# Altium PCB AMDC_uAMDC_Overlay.PcbDoc (part 2 of 6) (continued)
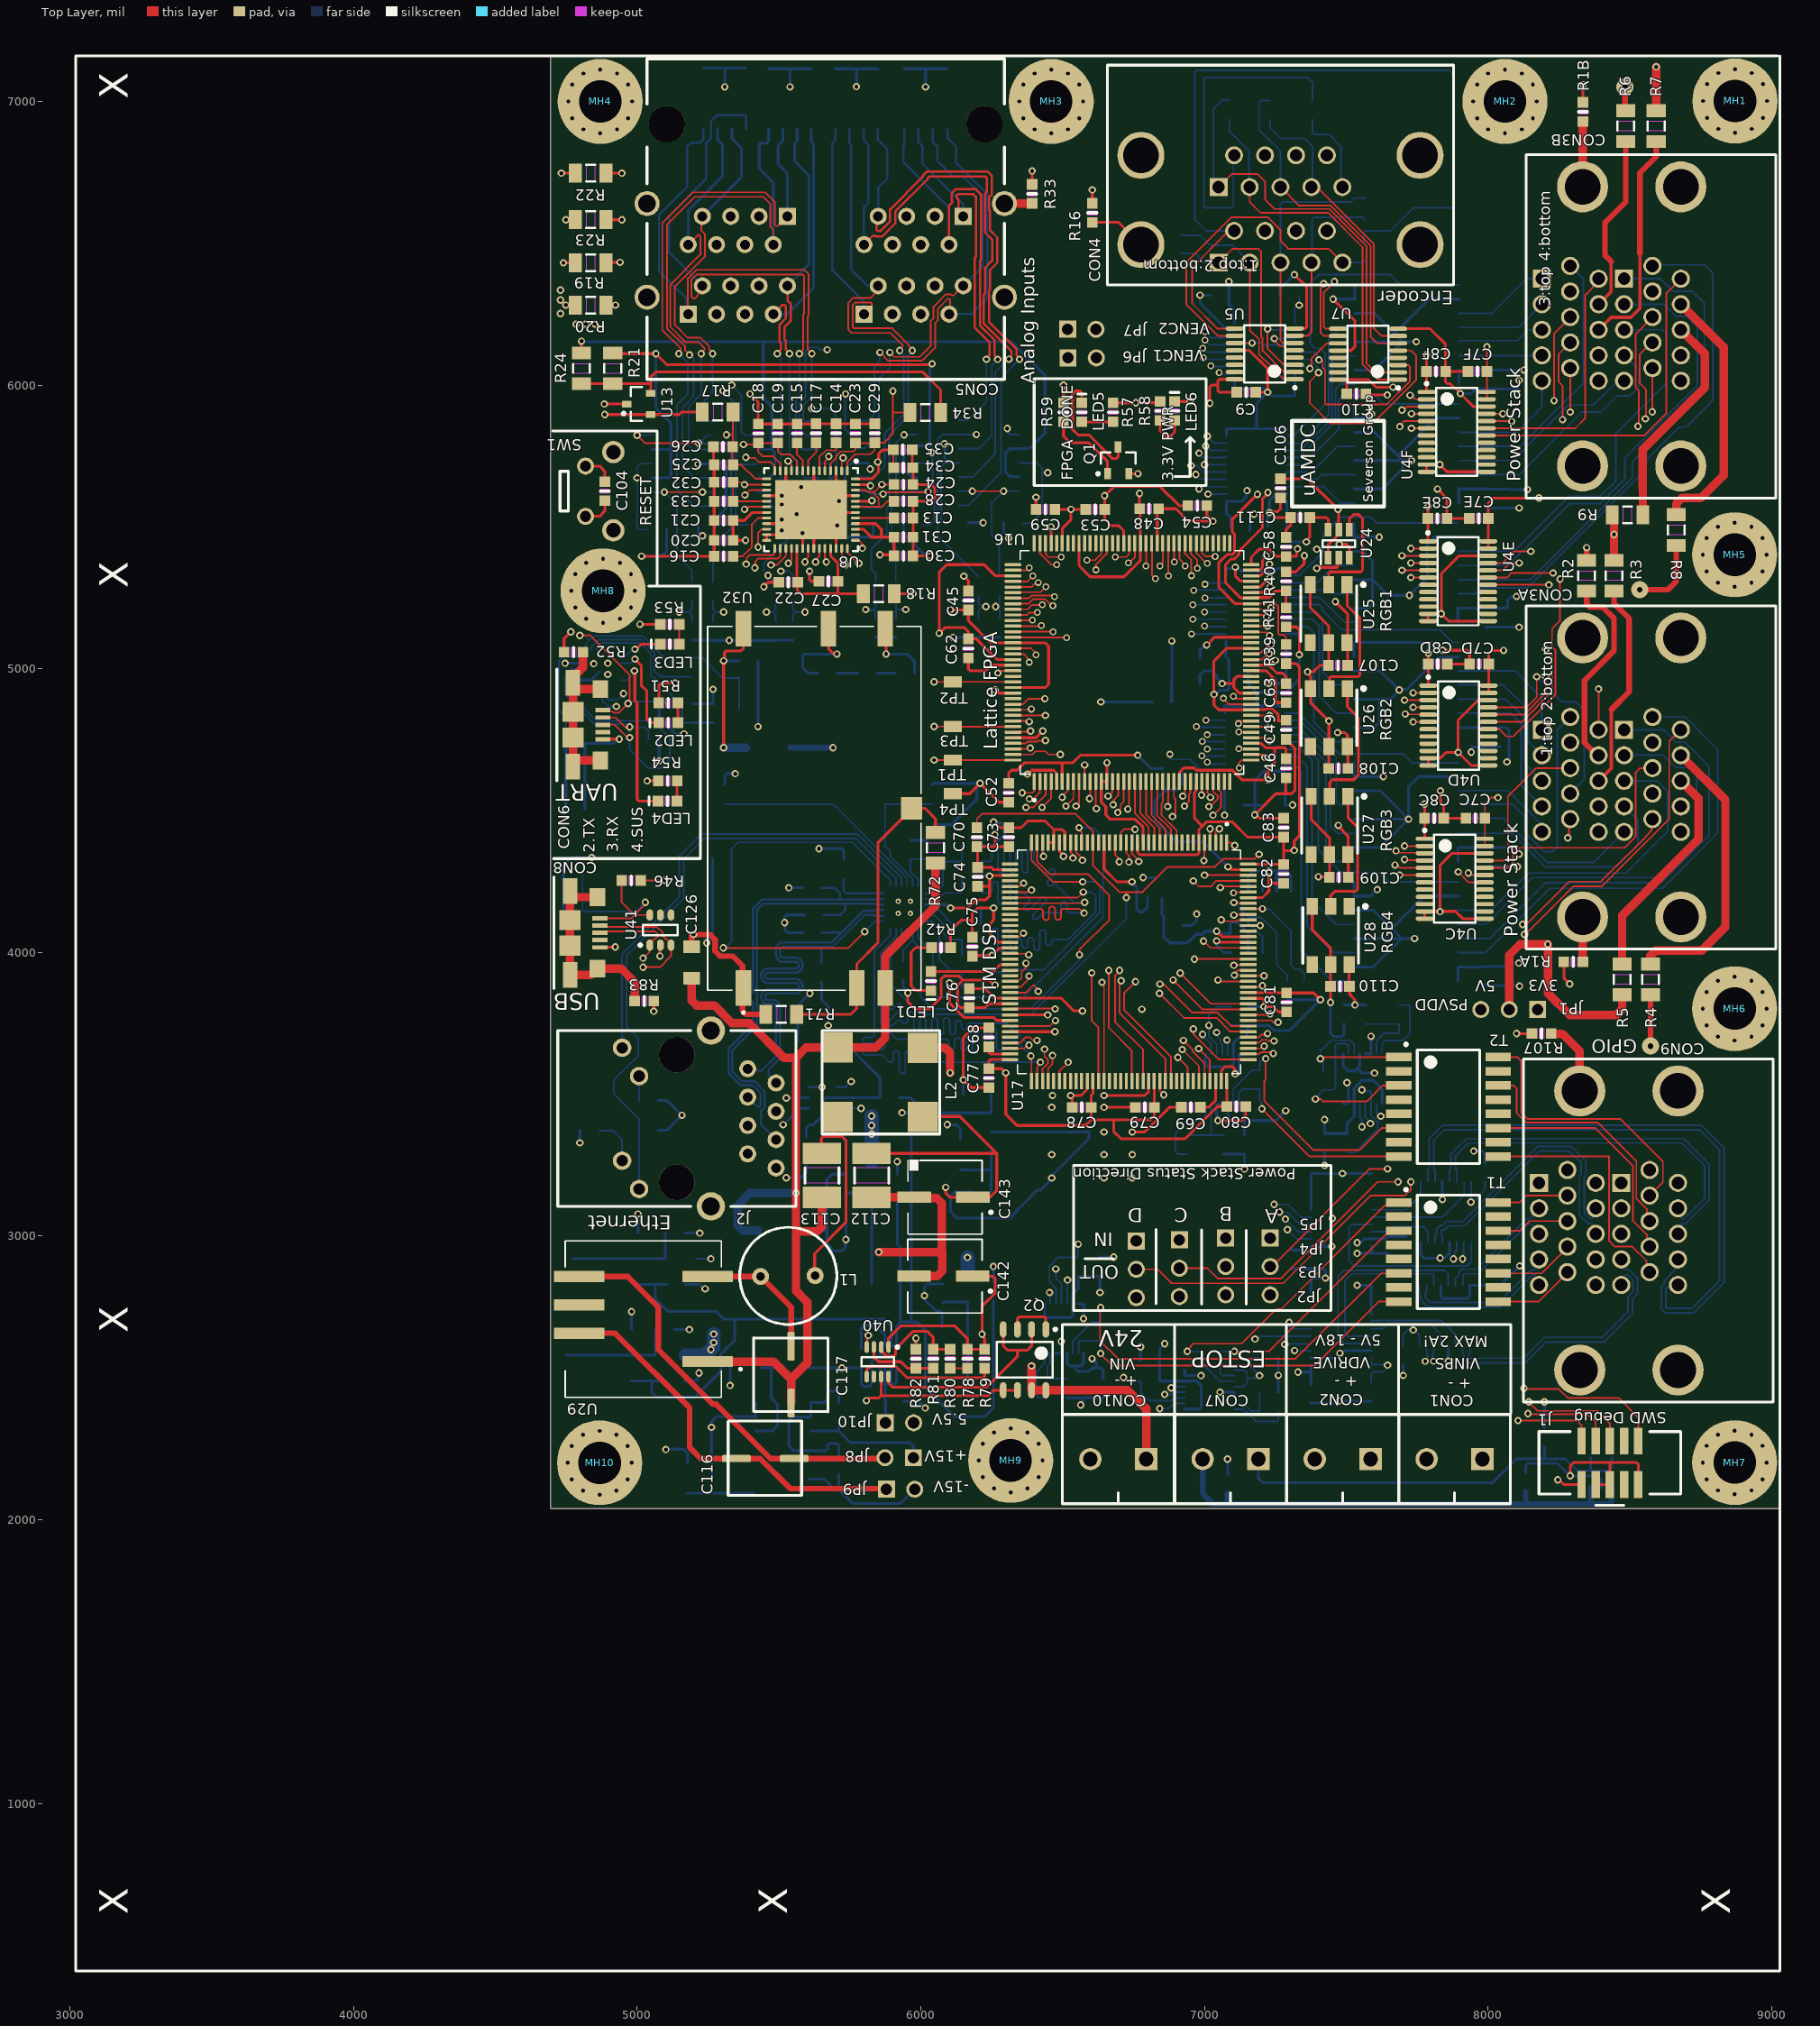
[diagram p0: Top Layer view]
## Nets (pads, with @x,y where several pads share a name; then routed paths per layer and width w, separated by ;. In a path a pad name is that pad's centre, name@x,y a point inside that pad or via, vN(x,y) a via of type N, cw(c..) or ccw(c..) an arc to the next point about the centre after c; other vN are vias at no path point) (continued)
  Int4 (PWR) w10: v1(6242.5,4269.52) 6242.5,4322.5 6230,4335 6230,4432.56 v1(6257.11,4459.68)
  Int2 (Sign) w10: v1(5609.13,3855.5) 5610.14,3856.51 5953.49,3856.51 v1(5954.5,3857.52) ; v2(6105.15,4157) 6105.15,4074.85 6191,3989 v1(6251.5,3989) ; v2(7330,2520.65) 7544.35,2520.65 7780,2285 8102,2285 v2(8246,2141)
  Int3 (Sign) w10: v1@5953.49,3856.51 v1(5954.5,3857.52) ; v1(6251.5,3989) 6251.5,3951.73 6262,3941.23 v1(6262,3885.46)
  Bottom Layer w10: E1.1@5566.46,3685 5566.46,3812.83 v1(5609.13,3855.5) ; R98.2@5938.63,3902.54 5938.63,3875 5954.5,3859.13 v1(5954.5,3857.52) ; U43.9@6016.8,4168.84 6088.98,4168.84 6100.82,4157 v2(6105.15,4157) C149.2@6144.54,4157 ; R96.2@6211.46,3875 6247.21,3875 6257.67,3885.46 v1(6262,3885.46) ; R89.1@6211.46,3989 v1(6251.5,3989) ; R88.1@6211.46,4267 6213.98,4269.52 v1(6242.5,4269.52) ; R87.1@6211.46,4376.75 6256.75,4376.75 6296,4416 6296,4445.5 6284.89,4456.61 6260.18,4456.61 v1(6257.11,4459.68) ; U20B.1@6437.1,2761.6 6437.1,2718.93 6442.96,2713.07 6529.32,2713.07 6535.53,2719.28 U20B.6@6535.53,2761.6 6535.53,2796.14 6555.21,2815.83 R47B.2@6555.21,2858.54 C96B.2@6632,2858.54 v2(6632,2801.33) ; v1(6765,4695.34) 6812.59,4647.75 R43.1@6853.41,4647.75 ; U18.1@6850.02,4192.24 6850.02,4135.93 6856.54,4129.41 C71.2@6856.54,4095 6856.54,4055 6877.76,4033.78 6940,4033.78 6970.18,4063.96 6992.85,4063.96 7004.01,4075.12 v1(7043.15,4075.12) 7047.48,4075.12 7054.48,4068.11 7091.13,4068.11 C72.2@7092,4067.24 7092,4100.14 7097.86,4106 7117.11,4106 7155,4068.11 U19.8@7155,3996 ; v1(6860,2621) 6842.46,2603.46 C96A.2@6842.46,2559.75 R47A.2@6842.46,2489 U20A.6@6930.8,2489 6972.79,2489 6988.54,2473.25 6988.54,2396.43 6982.68,2390.57 U20A.1@6930.8,2390.57 ; C57.1@6884.46,4883 6884.46,4947.46 X1.4@6885,4948 X1.1@6885,5038 v1(6885,5097.84) ; U20D.1@7004.1,3639.6 7004.1,3603.13 7009.96,3597.28 7094.8,3597.28 7102.53,3605 U20D.6@7102.53,3639.6 7102.53,3681.83 7119.88,3699.19 7139.7,3699.19 7152.34,3711.83 7152.34,3741.32 C96D.2@7152,3741.66 ; R47D.2@7092.94,3741.66 C96D.2@7152,3741.66 ; R44.2@7292,3833.54 R45.2@7352,3833.54 v1(7409.15,3833.54) 7300.61,3725 7245.46,3725 7228.79,3741.66 C96D.2@7152,3741.66 ; C8B.1@7305,2951.46 7342.01,2951.46 7354.22,2939.25 U4B.1@7376.7,2939.25 U4B.2@7376.7,2964.84 7377.19,2964.35 7449.04,2964.35 v1(7449.54,2963.86) ; v2(7330,2520.65) 7375.7,2520.65 ; C8A.1@7375.7,2477.59 7375.7,2520.65 ; U4A.1@7375.7,2545.25 7375.7,2520.65 ; v2(7424,3410.51) C96C.2@7424,3361.59 R47C.2@7502.74,3361.59 7502.74,3396.74 7528.47,3422.47 U20C.6@7528.47,3467.68 7528.47,3522.4 7555.07,3549 7597,3549 7626.9,3519.1 U20C.1@7626.9,3467.68
  Bottom Layer w50: R74.1@5172.01,2580 5240,2580 5270,2610 v1(5270,2654.8)
  other v1: 5260,2600 5270,2625 6758.44,5937.46
5.5V: C124.1 C128.1 C132.1 C133.1 C136.1 U31.4 U31.5 U33.3 U35.3 U36.3 U37.3 U39.7 U39.8 | length 4337.9
  Bottom Layer w10: U36.3@4980.31,2489.45 5051,2489.45 ; U33.3@5003.16,2829.45 5063.74,2829.45 ; C132.1@5100.16,2489.45 5051,2489.45 ; C128.1@5104.25,2829.45 5063.74,2829.45 ; C133.1@5917.28,3151.66 U35.3@5917.28,3062.79 5917.28,2971.72 5928,2961 5928,2697 ; U31.5@6248,3501 U31.4@6248,3434 6247.46,3434.54 C124.1@6150,3434.54 6023.5,3434.54 5966.97,3378 5966.97,2697 ; C136.1@6256.28,2772.41 U37.3@6256.28,2678.79 6256.28,2395.28 6225,2364 6119,2364 6016,2467 6016,2668 5987,2697 5966.97,2697 ; 5051,2489.45 5051,2450 5068,2433 5205,2433 5294.23,2522.23 5294.23,2583.32 5344.46,2633.54 5344.46,2708 ; 5063.74,2829.45 5063.74,2780 5109.74,2734 5278.7,2734 5304.7,2708 5344.46,2708 ; 5344.46,2708 5870.37,2708 5894.84,2683.53 U39.7@5894.84,2614.2 U39.8@5914.53,2614.2 5914.53,2683.53 5928,2697 ; 5928,2697 5966.97,2697
5.5VICL: C140.2 JP10.1 U39.1 U39.2 U39.3 U39.4 | length 433.5
  Bottom Layer w10: U39.4@5855.47,2539.8 5855.47,2484.94 5861.33,2479.09 5875.16,2479.09 ; JP10.1@5875,2342 5875.54,2342.54 C140.2@5875.54,2418 5875.16,2418.38 5875.16,2479.09 ; U39.3@5875.16,2539.8 5875.16,2479.09 ; U39.2@5894.84,2539.8 5894.84,2482.35 5891.58,2479.09 ; U39.1@5914.53,2539.8 5914.53,2485.61 5908,2479.09 5891.58,2479.09 ; 5875.16,2479.09 5891.58,2479.09
5.5VJMP: C122.2 C127.2 JP10.2 U32.6 | length 4478.7
  Top Layer w10: v2(5305,4721.66) v2(5305,5028) 5308,5031 5308,5057.14 5313.86,5063 5366.16,5063 5374.69,5071.53 U32.6@5374.69,5141.46
  Int2 (Sign) w30: v2(5305,4721.66) 5035.46,4721.66 4746.41,4432.61 4746.41,2640.59 5096,2291 5919.93,2291 5970.93,2342 JP10.2@5975,2342
  Bottom Layer w10: v2(5305,5028) C127.2@5359.41,5028
  Bottom Layer w30: v2(5305,4721.66) C122.2@5385.11,4721.66
5V: C1A.1 C1B.1 C1C.1 C7A.1 C7B.1 C9.2 C10.2 C11.1 C97A.2 C97B.2 C97C.2 C97D.2 C107.2 C108.2 C109.2 C110.2 C111.1 C159.1 C160.1 CON9.1A CON9.1B JP1.3 JP6.1 JP7.1 R17.1 R60.1 R66.1 U2A.23 U2A.24 U2B.23 U2B.24 U2C.23 U2C.24 U4A.23 U4A.24 U4B.23 U4B.24 U5.16 U6.1 U6.2 U7.16 U13.1 U20A.9 U20A.12 U20B.9 U20B.12 U20C.9 U20C.12 U20D.9 U20D.12 U22.5 U24.6 U25.3 U25.5 U26.3 U26.5 U27.3 U27.5 U28.3 U28.5 U41.5 U44.16 U45.16 | length 7574.2
  Top Layer w10: v2(4886,5896.04) U13.1@5047.88,5896.04 5147.54,5896.04 5156.5,5905 R17.1@5229.87,5905 ; v1(7019.43,5936.25) 7019.43,5994.14 7025.29,6000 7047.02,6000 ; U5.16@7106.7,6020.43 7052.88,6020.43 7047.02,6014.58 7047.02,6000 ; C9.2@7114.54,5975 7052.88,5975 7047.02,5980.86 7047.02,6000 ; v2(7360,5447.25) 7360,5451.58 7371.46,5463.05 C111.1@7371.46,5533 7430.53,5533 7436.38,5527.14 U24.6@7436.38,5490.47 ; U25.3@7373.42,5296.42 7373.42,5216.02 7438.38,5151.05 U25.5@7438.38,5091.69 7438.38,5012.52 C107.2@7437.92,5012.05 7406.91,5012.05 7384.15,4989.29 v2(7363.96,4989.29) 7363.96,4984.96 7374.42,4974.5 U26.3@7374.42,4930.42 7374.42,4881.05 v2(7439.38,4816.09) U26.5@7439.38,4725.69 7438.92,4725.23 C108.2@7438.92,4649.05 ; U27.3@7376.42,4550.42 7376.42,4469.02 7441.38,4404.05 U27.5@7441.38,4345.69 7441.38,4265.52 C109.2@7440.92,4265.05 7438.97,4267 v2(7402,4267) ; U28.3@7380.42,4162.42 7380.42,4080.01 7445.38,4015.05 U28.5@7445.38,3957.69 7445.38,3880.52 C110.2@7444.92,3880.05 v1(7444.92,3824) ; U7.16@7470.7,6019.43 7502.46,6019.43 ; C10.2@7502.46,5969.54 7502.46,6019.43 ; v1(7665.58,5992.56) 7606.1,5992.56 7579.24,6019.43 7502.46,6019.43
  Int2 (Sign) w10: v1(7538.52,2939.25) 7538.52,2866.82 v2(7736.37,2668.98)
  Int2 (Sign) w15: v1(7019.43,5936.25) 7021.68,5934 7023.94,5936.25 7674.38,5936.25 7683.17,5945.04 7683.17,5971.82 7682.82,5972.18 7682.82,5975.33 v1(7665.58,5992.56) 7623.53,5992.56 v1(7334.46,6281.63)
  Int3 (Sign) w10: v1(7226.32,4949.24) 7331.07,4949.24 7345.98,4964.15 7357.74,4975.91 7357.74,4978.75 7363.96,4984.96 v2(7363.96,4989.29) ; v2(7311,4519.75) 7402,4428.75 v2(7402,4267)
  Bottom Layer w6: U20A.12@7106,2469.32 7138.63,2469.32 7150,2480.68 7150,2498.79 ; U20A.9@7106,2528.37 7138.53,2528.37 7150,2516.9 7150,2498.79 ; C97A.2@7194.41,2570.84 7170.22,2570.84 7163.73,2564.35 7163.73,2539.36 v1(7194.41,2508.68) 7184.52,2498.79 7150,2498.79 ; U6.2@7319.3,6218.16 7319.3,6270.65 7330.28,6281.63 v1(7334.46,6281.63) C11.1@7334.46,6315 ; C7A.1@7588,2485.46 7588,2510.94 7598.95,2521.89 7629.99,2521.89 7641.94,2533.85 7641.94,2541.43 v2(7645.77,2545.25) 7643.88,2547.14 7620.31,2547.14 ; U4A.23@7588.3,2570.84 7590.29,2568.85 7590.29,2547.24 U4A.24@7588.3,2545.25 7590.16,2547.12 7620.28,2547.12 ; C160.1@7701,2612.59 7701,2651.77 7717.88,2668.65 7736.04,2668.65 v2(7736.37,2668.98) 7741.47,2668.98 7757.46,2652.99 U45.16@7757.46,2613.99 ; U44.16@7941.57,3191.3 7940.78,3190.52 7940.78,3120.78 v1(7940,3120) 7947,3120 7990,3163 C159.1@7990,3191.54
  Bottom Layer w10: U22.5@5077.61,4855.87 5077.61,4827.16 5134.17,4770.6 v1(5165.36,4770.6) ; v1(6093.7,3393) 6124.49,3393 6140,3377.49 R66.1@6140,3344.13 ; U20B.12@6515.84,2586.4 6515.84,2552 6525.63,2542.21 6543.94,2542.21 ; U20B.9@6574.9,2586.4 6574.9,2552 6565.11,2542.21 6543.94,2542.21 ; v2(6604.15,2568) 6604.15,2567.74 6619.57,2552.31 6619.57,2535 ; C97B.2@6643.12,2497.34 6643.12,2526.88 6635,2535 6619.57,2535 ; U20D.12@7082.84,3464.4 7082.84,3424.2 7099.6,3407.44 7141.9,3407.44 ; C97D.2@7141.9,3356.34 7141.9,3407.44 ; U20D.9@7141.9,3464.4 7141.9,3407.44 ; v1(7226.32,4949.24) 7228.69,4949.24 7229.95,4947.97 7264.76,4947.97 7288.59,4971.81 C1B.1@7288.59,4994 7288.3,4994.29 U2B.24@7288.3,5072.25 U2B.23@7288.3,5097.84 ; U2C.23@7284,4613.69 U2C.24@7284,4588.09 C1C.1@7284,4519.75 v2(7311,4519.75) ; v2(7287,3442) 7252.44,3407.44 7141.9,3407.44 ; U2A.23@7290.3,5590.84 U2A.24@7290.3,5565.25 C1A.1@7290.3,5502.75 7290.3,5465.21 7308.26,5447.25 v2(7360,5447.25) ; v1(7444.92,3824) 7444.92,3715.1 7455.57,3704.45 7486.21,3704.45 7492.07,3710.31 C97C.2@7492.07,3747.53 ; U20C.9@7489.1,3642.87 7489.1,3600.55 7507.19,3582.46 7530.07,3582.46 7539.11,3591.51 ; v1(7538.52,2939.25) U4B.24@7589.3,2939.25 ; U20C.12@7548.16,3642.87 7548.16,3600.55 7539.11,3591.51 ; U4B.23@7589.3,2964.84 U4B.24@7589.3,2939.25 ; v2(7600,3575) 7555.62,3575 7539.11,3591.51 ; C7B.1@7711.25,2931.38 7709.87,2930 7654.87,2930 7645.62,2939.25 U4B.24@7589.3,2939.25 ; R60.1@8199,2324.46 v1(8199,2415.77) ; 6543.94,2542.21 6543.94,2534.18 6555.22,2522.9 6592.05,2522.9 6604.15,2535 6619.57,2535
+12V: CON5.3A CON5.3B CON5.3C CON5.3D R19.1 R22.1 R73.1 | length 4678.3
  Top Layer w10: v2(4733,6747) R22.1@4781.87,6747 ; v2(4740,6431) R19.1@4781.87,6431
  Int3 (Sign) w50: v1(4851.75,6215) v1(4785,6215) 4730,6160 4730,5685 4816.58,5598.42 4916.58,5598.42 5061,5454 5061,5051.43 5060,5050.43 5060,4751.88 4922.79,4614.67 4922.79,4144 4875,4096.21 4875,3300 4795,3220 4795,2720 5041.3,2473.7 v1(5327.87,2473.7)
  Bottom Layer w10: v1(5327.87,2473.7) R73.1@5327.87,2536
  other v1: 4818.37,6215
+12VA: C37A.2 C41A.2 R19.2 U14A.11 U15A.11 | length 2188.1
  Top Layer w10: R19.2@4892.13,6433 v2(4939.71,6433)
  Int2 (Sign) w10: v2(4939.71,6433) 4939.71,6315.94 4947.71,6307.94 4947.71,5918.66 5145.37,5721 5203,5721 v1(5215,5721) 5503.25,5721 5525.71,5698.55 5668.96,5698.55 5674.42,5704 v2(5822,5704)
  Bottom Layer w6: C41A.2@5764.4,5507 5736.7,5507 5733.17,5510.53 5733.17,5581.96 5733.83,5582.62 5733.83,5615.73 5733.17,5616.38 5733.17,5704.19 5753.98,5725 U15A.11@5770.72,5725
  Bottom Layer w10: v1(5215,5721) 5216,5722 5265.28,5722 U14A.11@5266.28,5723 5301,5723 5312.87,5711.13 5312.87,5564.74 5282.46,5534.33 C37A.2@5282.46,5512 ; U15A.11@5770.72,5725 5812.55,5725 5818.94,5718.61 5818.94,5707.06 v2(5822,5704)
+12VB: C37B.2 C41B.2 R22.2 U14B.11 U15B.11 | length 3156.4
  Top Layer w10: R22.2@4890.13,6747 v2(4946.25,6747)
  Int2 (Sign) w10: v2(4946.25,6747) 4946.25,6663.25 4915,6632 4915,6526 4963.71,6477.29 4963.71,6256 4979.71,6240 4979.71,5921.88 5022.5,5879.09 5323.99,5879.09 5350.77,5852.31 5350.77,5829.06 5364.83,5815 5514,5815 v1(5616,5917) 5960,5917 v1(6084,5793)
  Bottom Layer w6: v1(5616,5917) 5675.74,5917 5702,5890.74 5702,5684.79 5690.21,5673 5684.21,5673 ; U14B.11@5640.28,5723 5674.31,5723 5677.83,5719.49 5677.83,5673 ; C37B.2@5641.46,5507.21 5669.27,5507.21 5684.21,5522.15 5684.21,5548.37 5689.83,5553.98 5689.83,5624.46 5684.21,5630.07 5684.21,5673 ; 5678,5673 5684.21,5673 ; C41B.2@6099.97,5515 6075.51,5515 6072,5518.51 6072,5712 6086,5726 U15B.11@6133.43,5726
  Bottom Layer w10: v1(6084,5793) 6084,5728 6086,5726
+15V: C130.1 JP8.1 U34.8 | length 459.4
  Bottom Layer w10: U34.8@5612.24,2313 5711,2313 ; C130.1@5711,2347.54 5711,2313 ; JP8.1@5974,2219 5974,2260.28 5962.28,2272 5752,2272 5711,2313
-12V: CON5.5A CON5.5B CON5.5C CON5.5D R20.1 R23.1 R77.1 | length 4700.5
  Top Layer w10: v2(4748.5,6282) R20.1@4781.87,6282 ; v2(4749,6583) R23.1@4781.87,6583
  Int4 (PWR) w50: v2(4730,6335) 4730,5686.42 4818,5598.42 4916.58,5598.42 5061,5454 5061,5051.43 5060,5050.43 5060,4751.88 4922.79,4614.67 4922.79,4142.79 4875,4095 4875,3300 4795,3220 4795,2720 5101,2414 v2(5101,2248)
  Bottom Layer w10: v2(5101,2248) 5102,2249 5163,2249 5178,2234 R77.1@5178,2202.13
  other v2: 4730,6252.47 4730,6300
-12VA: C38A.1 C43A.1 R20.2 U14A.4 U15A.4 | length 2423.9
  Top Layer w10: R20.2@4890.13,6282 v2(4923.71,6282)
  Int2 (Sign) w10: v2(4923.71,6282) 4923.71,6059.04 4914,6049.33 4914,5864 4978,5800 4978,5695 v1(5000,5673) 5004.33,5673 5011.33,5680 5958.5,5680 6038,5759.5 v1(6038,5762.5)
  Bottom Layer w6: C38A.1@5037.54,5491 5005.86,5491 5000,5496.86 5000,5523 v1(5000,5673) 5000,5713.58 5009.42,5723 U14A.4@5051.72,5723 ; U15A.4@5985.28,5725 6032.91,5725 6041,5733.09 ; C43A.1@6005.46,5507 6033.17,5507 6048,5521.83 6048,5659.08 6041,5666.08 6041,5733.09 ; v1(6038,5762.5) 6041,5759.5 6041,5733.09
-12VB: C38B.1 C43B.1 R23.2 U14B.4 U15B.4 | length 3286.6
  Top Layer w10: R23.2@4890.13,6583 v2(4946.25,6583)
  Int2 (Sign) w10: v2(4946.25,6583) 4979.71,6549.54 4979.71,6262.63 4995.71,6246.63 4995.71,5977.15 5024.14,5948.72 5299.75,5948.72 ; v1(5303,5980) 5303,5951.97 5299.75,5948.72 ; v1(6447.83,5691) 6447.83,5768.13 6271.09,5944.87 5388.06,5944.87 5384.21,5948.72 5299.75,5948.72
  Bottom Layer w6: v1(5303,5980) 5348,5935 5348,5720.76 ; C38B.1@5392.25,5507.21 5359.75,5507.21 5348,5518.95 5348,5720.76 ; U14B.4@5425.72,5723 5423.47,5720.76 5348,5720.76 ; U15B.4@6348,5726 6409,5726 6428,5707 6428,5691 ; C43B.1@6359.46,5512 6388,5512 6428.5,5552.5 6428.5,5690.5 6428,5691 ; v1(6447.83,5691) 6428,5691
-15V: C137.2 JP9.2 U38.7 | length 482
  Bottom Layer w10: U38.7@5606.24,2143.69 5660.17,2143.69 5695.84,2108.02 5710.69,2108.02 ; C137.2@5710.69,2160.23 5710.69,2108.02 ; JP9.2@5979,2108 5928.02,2057.02 5761.69,2057.02 5710.69,2108.02
ADC_1V8: C22.1 C27.1 R18.2 U8.31 U8.37 | length 555.9
  Top Layer w10: U8.31@5563.79,5424.19 5563.79,5303.74 5564.5,5303.03 5564.5,5277 5576.5,5265 R18.2@5797.87,5265 ; U8.37@5681.9,5424.19 5681.98,5424.11 5681.98,5398.05 5708.16,5371.87 C27.1@5708.16,5308.25 5708.16,5265
ADC_5V: C20.1 C21.1 C25.1 C26.1 C30.1 C31.1 C34.1 C35.1 R17.2 U8.15 U8.21 U8.43 U8.44 U8.52 | length 2532.2
  Top Layer w6: v2(5315,5825) 5336.11,5825 5338.13,5822.97 5338.13,5784.67 C26.1@5336.46,5783 C25.1@5336.46,5721 ; 5338.13,5829.89 R17.2@5338.13,5905 ; C25.1@5338.46,5719 5367.52,5719 5417.25,5669.27 U8.15@5456.5,5669.27 ; C35.1@5903.41,5772 5903.41,5710.13 C34.1@5904.54,5709
  Top Layer w10: v1(5382.54,5452.73) C20.1@5338.46,5452.73 C21.1@5338.46,5523 5378.53,5523 5406.69,5551.16 U8.21@5456.5,5551.16 ; U8.43@5769.5,5492.1 5797.86,5492.1 5825.96,5464 5861.11,5464 ; U8.44@5769.5,5511.79 5840.49,5511.79 5861.11,5491.16 5861.11,5464 ; U8.52@5769.5,5669.27 5827.8,5669.27 5850.8,5692.27 5850.8,5726.9 v2(5848.71,5728.99) 5851.78,5732.05 5851.78,5757.48 5866.3,5772 C35.1@5903.41,5772 ; v2(5856,5402) 5901.88,5402 C30.1@5905.87,5398 C31.1@5905.87,5464 5861.11,5464
  Int4 (PWR) w6: v2(5315,5825) 5315,5520.27 v1(5382.54,5452.73) 5797.27,5452.73 5852,5398 5913.43,5459.43 5913.43,5664.27 v2(5848.71,5728.99)
ADC_CLKOUT: TP3.1 U8.33 U16.138 | length 1243.2
  Top Layer w6: v1(5592,5376.75) 5592,5383.6 5603.08,5394.68 5603.08,5424.11 U8.33@5603.16,5424.19 ; v2(6047,4796.44) TP3.1@6112.76,4796.44 6113,4796.2 U16.138@6325,4796.2
  Int2 (Sign) w6: v1(5592,5376.75) 5592,5371.76 5583.47,5363.23 5583.47,5276.07 5564.5,5257.1 5564.5,5071.53 5839.59,4796.44 v2(6047,4796.44)
ADC_CNV: TP1.1 U8.24 U16.144 | length 1576.1
  Top Layer w6: v1(5426.73,5428.84) 5426.73,5479.73 5438.37,5491.37 5455.77,5491.37 U8.24@5456.5,5492.1 ; v2(6047,4678.09) 6112.67,4678.09 TP1.1@6112.76,4678 6112.86,4678.09 U16.144@6325,4678.09
  Int2 (Sign) w6: v1(5426.73,5428.84) 5426.73,5402.86 5415.13,5391.25 5375.57,5391.25 5362.69,5378.36 5362.69,5143.31 5827.91,4678.09 v2(6047,4678.09)
ADC_IN1: C42A.1 R38A.1 U8.20 | length 1151.1
  Top Layer w6: v2(5378.53,5562) 5382.86,5562 5391.7,5570.84 U8.20@5456.5,5570.84
  Int3 (Sign) w6: v2(5378.53,5562) 5376.06,5559.53 5321.24,5559.53 5305,5543.28 5305,5358.27 5406.17,5257.1 5607.37,5257.1 5623.06,5241.41 5824.25,5241.41 5856.66,5209 v1(5947.21,5209)
  Bottom Layer w6: R38A.1@5912,5242.41 5913,5241.41 5913,5212.51 5916.51,5209 ; C42A.1@5913,5177.34 5913,5205.49 5916.51,5209 ; v1(5947.21,5209) 5916.51,5209
ADC_IN2: C40A.1 R37A.1 U8.17 | length 1138.3
  Top Layer w6: v2(5380.01,5612.53) 5397.38,5629.9 U8.17@5456.5,5629.9
  Int3 (Sign) w6: v2(5380.01,5612.53) 5303.88,5612.53 5282.46,5591.11 5282.46,5351.73 5395.66,5238.54 5533.17,5238.54 5548.75,5222.96 5667.69,5222.96 5681.65,5209 v2(5806,5209)
  Bottom Layer w6: C40A.1@5840,5177.34 5840,5201.74 5836.25,5205.49 5809.51,5205.49 v2(5806,5209) 5836.49,5209 5841,5213.51 R37A.1@5841,5241.41
ADC_IN3: C39B.1 R36B.1 U8.14 | length 1156.3
  Top Layer w6: v2(5383.52,5745) 5385.77,5742.76 5415.18,5742.76 5429.18,5728.76 5470.01,5728.76 5484.31,5714.45 5484.31,5698.55 U8.14@5485.05,5697.81
  Int3 (Sign) w6: v2(5383.52,5745) 5265.67,5745 5256.87,5736.2 5256.87,5346.63 5377.51,5226 5463,5226 5489,5200 v1(5592,5200)
  Bottom Layer w6: C39B.1@5548.75,5167.59 5549,5167.84 5549,5188.49 5560.51,5200 ; R36B.1@5548.75,5235.66 5548.75,5210.25 5559,5200 5560.51,5200 ; v1(5592,5200) 5560.51,5200
ADC_IN4: C36B.1 R35B.1 U8.11 | length 1330.8
  Top Layer w6: v2(5532,5732) 5532,5731.35 5544.1,5719.25 U8.11@5544.1,5697.81
  Int3 (Sign) w6: v1(5455.77,5200) 5386.54,5200 5208.5,5378.04 5208.5,5666.9 5193,5682.39 5193,5842.11 5211.89,5861 5230.11,5861 5242.11,5849 5333.66,5849 5352.77,5829.89 5367.66,5815 5449,5815 v2(5532,5732)
  Bottom Layer w6: v1(5455.77,5200) 5477.23,5200 ; C36B.1@5488.75,5167.59 5488.75,5188.49 5477.23,5200 ; R35B.1@5488.75,5235.66 5488.75,5210.25 5478.5,5200 5477.23,5200
ADC_IN5: C40B.1 R37B.1 U8.5 | length 2427.7
  Top Layer w6: U8.5@5662.21,5697.81 5662.21,5731.1 5675.83,5744.71 v2(5675.83,5748.6)
  Int3 (Sign) w6: v2(5675.83,5748.6) 5675.83,5786.27 5680,5790.44 5680,5822.7 5664.7,5838 5521.16,5838 5501.65,5857.51 5498.16,5861 5391.27,5861 5379.27,5873 5206.92,5873 5181,5847.08 5181,5672.56 5191,5662.56 5191,5370 5348,5213 5348,5185 5371.27,5161.73 6172.73,5161.73 v1(6230,5219)
  Bottom Layer w6: C40B.1@6204,5177.8 6204,5206.55 6212.62,5215.17 6226.17,5215.17 v1(6230,5219) 6226.17,5222.83 6210.45,5222.83 6204,5229.28 R37B.1@6204,5257.41
ADC_IN6: C42B.1 R38B.1 U8.2 | length 2540.2
  Top Layer w6: U8.2@5721.27,5697.81 5721.27,5733.41 5726.07,5738.22 v2(5726.07,5743.63)
  Int3 (Sign) w6: v2(5726.07,5743.63) 5726.07,5822.7 5697.95,5850.82 5525.31,5850.82 5491.13,5885 5201.95,5885 5169,5852.05 5169,5372 5334.54,5206.46 5334.54,5170.79 5355.6,5149.73 6194.73,5149.73 v1(6264,5219)
  Bottom Layer w6: C42B.1@6279,5177.8 6279,5213 6276.83,5215.17 6267.83,5215.17 v1(6264,5219) 6268.72,5219 6279,5229.28 R38B.1@6279,5257.41
ADC_IN7: C36A.1 R35A.1 U8.51 | length 1798.3
  Top Layer w10: U8.51@5769.5,5649.58 5769.57,5649.5 5818.44,5649.5 v2(5822.68,5645.27)
  Int3 (Sign) w6: v1(5148.46,5200) 5148.46,5851.41 5194.06,5897 5496.11,5897 5530.28,5862.82 5829.53,5862.82 5883.2,5809.15 5883.2,5709.52 5822.68,5649 v2(5822.68,5645.27)
  Bottom Layer w6: v1(5148.46,5200) 5183.75,5200 ; C36A.1@5192.75,5168.34 5192.75,5191 5183.75,5200 ; R35A.1@5192.75,5238.54 5192.75,5209 5183.75,5200
ADC_IN8: C39A.1 R36A.1 U8.48 | length 2206.2
  Top Layer w10: U8.48@5769.5,5590.53 5769.57,5590.61 5825.69,5590.61 v2(5827.93,5592.84)
  Int3 (Sign) w6: v1(5305,5200) 5261.75,5156.75 5110.64,5156.75 5107.13,5160.26 5107.13,5477.04 5136.46,5506.38 5136.46,5856.38 5189.09,5909 5501.08,5909 5535.25,5874.82 5834.5,5874.82 5913.43,5795.89 5913.43,5631.42 5870.23,5588.21 5835.96,5588.21 5831.33,5592.84 v2(5827.93,5592.84)
  Bottom Layer w6: C39A.1@5267.75,5168.34 5267.75,5191 5276.75,5200 ; R36A.1@5267.75,5238.54 5267.75,5213.25 5268,5213 5268,5208.75 5276.75,5200 ; v1(5305,5200) 5276.75,5200
ADC_SCK: TP2.1 U8.41 U16.130 | length 1036.9
  Top Layer w6: U8.41@5769.5,5452.73 5781.3,5452.73 5797.87,5436.17 5797.87,5428.47 v1(5794.14,5424.75) ; v2(6047,4954) TP2.1@6113,4954 6113.31,4953.69 U16.130@6325,4953.69
  Int2 (Sign) w6: v1(5794.14,5424.75) 5797.87,5421.02 5797.87,5413.75 5798.37,5413.25 5798.37,5391.75 5809.51,5380.6 5809.51,5300.86 5781.3,5272.65 5781.3,5028.96 5855.75,4954.51 6046.49,4954.51 v2(6047,4954)
ADC_SDO1: U8.27 U16.143 | length 1856
  Top Layer w6: v1(5384.69,5369.25) 5386.16,5370.73 5386.16,5391.25 5395.66,5400.75 5480.13,5400.75 5484.31,5404.93 5484.31,5423.45 U8.27@5485.05,5424.19 ; U16.143@6325,4697.78 6325.22,4698 6394.28,4698 6405.28,4709 6440.11,4709 6451.11,4698 v2(6492,4698)
  Int2 (Sign) w6: v1(5384.69,5369.25) 5384.69,5144.31 5826,4703 6108.47,4703 6112.64,4698.83 6395.11,4698.83 6415.28,4719 6430.11,4719 6451.11,4698 v2(6492,4698)
ADC_SDO2: U8.28 U16.142 | length 1578.6
  Top Layer w6: v1(5415.13,5355.8) 5417.25,5357.92 5417.25,5379.27 5426.73,5388.75 5496.69,5388.75 5504.73,5396.79 U8.28@5504.73,5424.19 ; U16.142@6325,4717.46 6382.63,4717.46 v2(6386,4720.83)
  Int2 (Sign) w6: v1(5415.13,5355.8) 5415.13,5351.24 5405.25,5341.36 5405.25,5147.69 5832.11,4720.83 v2(6386,4720.83)
ADC_SDO3: U8.29 U16.141 | length 1640.9
  Top Layer w6: v2(5472,5366) 5472.37,5366.37 5494,5366.37 5524.42,5396.79 U8.29@5524.42,5424.19 ; U16.141@6325,4737.15 6371.2,4737.15 6376.89,4742.83 6411.91,4742.83 6416.08,4747 v2(6439.96,4747)
  Int2 (Sign) w6: v2(5472,5366) 5467.6,5366 5417.25,5315.65 5417.25,5152.66 5822.91,4747 v2(6439.96,4747)
ADC_SDO4: U8.30 U16.139 | length 1402.4
  Top Layer w6: v2(5533,5371.87) 5544.1,5382.97 U8.30@5544.1,5424.19 ; U16.139@6325,4776.52 6327.16,4778.68 6385.1,4778.68 v2(6387.26,4780.83)
  Int2 (Sign) w6: v2(5533,5371.87) 5533,5072.44 5831,4774.44 6383.75,4774.44 6387.26,4777.95 v2(6387.26,4780.83)
ADC_SDO5: U8.35 U16.137 | length 1304.8
  Top Layer w6: v1(5629.23,5376.75) 5629.23,5383.6 5642.45,5396.82 5642.45,5424.11 U8.35@5642.53,5424.19 ; U16.137@6325,4815.89 6325.11,4816 6380.06,4816 v2(6382.48,4813.57)
  Int2 (Sign) w6: v1(5629.23,5376.75) 5650,5355.98 5650,5003 5833,4820 6370.64,4820 6377.07,4813.57 v2(6382.48,4813.57)
ADC_SDO6: U8.36 U16.136 | length 1374
  Top Layer w6: U8.36@5662.21,5424.19 5662.21,5388.2 5666.82,5383.6 v2(5666.82,5376.75) ; U16.136@6325,4835.57 v2(6439.96,4835.57)
  Int2 (Sign) w6: v2(5666.82,5376.75) 5666.82,5014.18 5845.43,4835.57 v2(6439.96,4835.57)
ADC_SDO7: U8.39 U16.135 | length 1226.2
  Top Layer w6: U8.39@5721.27,5424.19 5721.27,5383.3 5735.98,5368.58 v1(5735.98,5366.9) ; U16.135@6325,4855.26 6387.26,4855.26 v2(6390,4858)
  Int2 (Sign) w6: v1(5735.98,5366.9) 5735.98,4971.02 5849,4858 v2(6390,4858)